# Altium PCB Brake Module PCB R5.PcbDoc (part 3 of 3)
Units mm, origin at the board's own origin, x right, y up, seen from the top; angles counter-clockwise.
Board outline 73.35 x 121.67 mm, 4 copper layers (Top Layer, GND, Power, Bottom Layer), stack 1.371 mm thick; 145 components, 92 nets, 490 pads, 190 vias.
Unrouted connection lines stored in the file: 20.
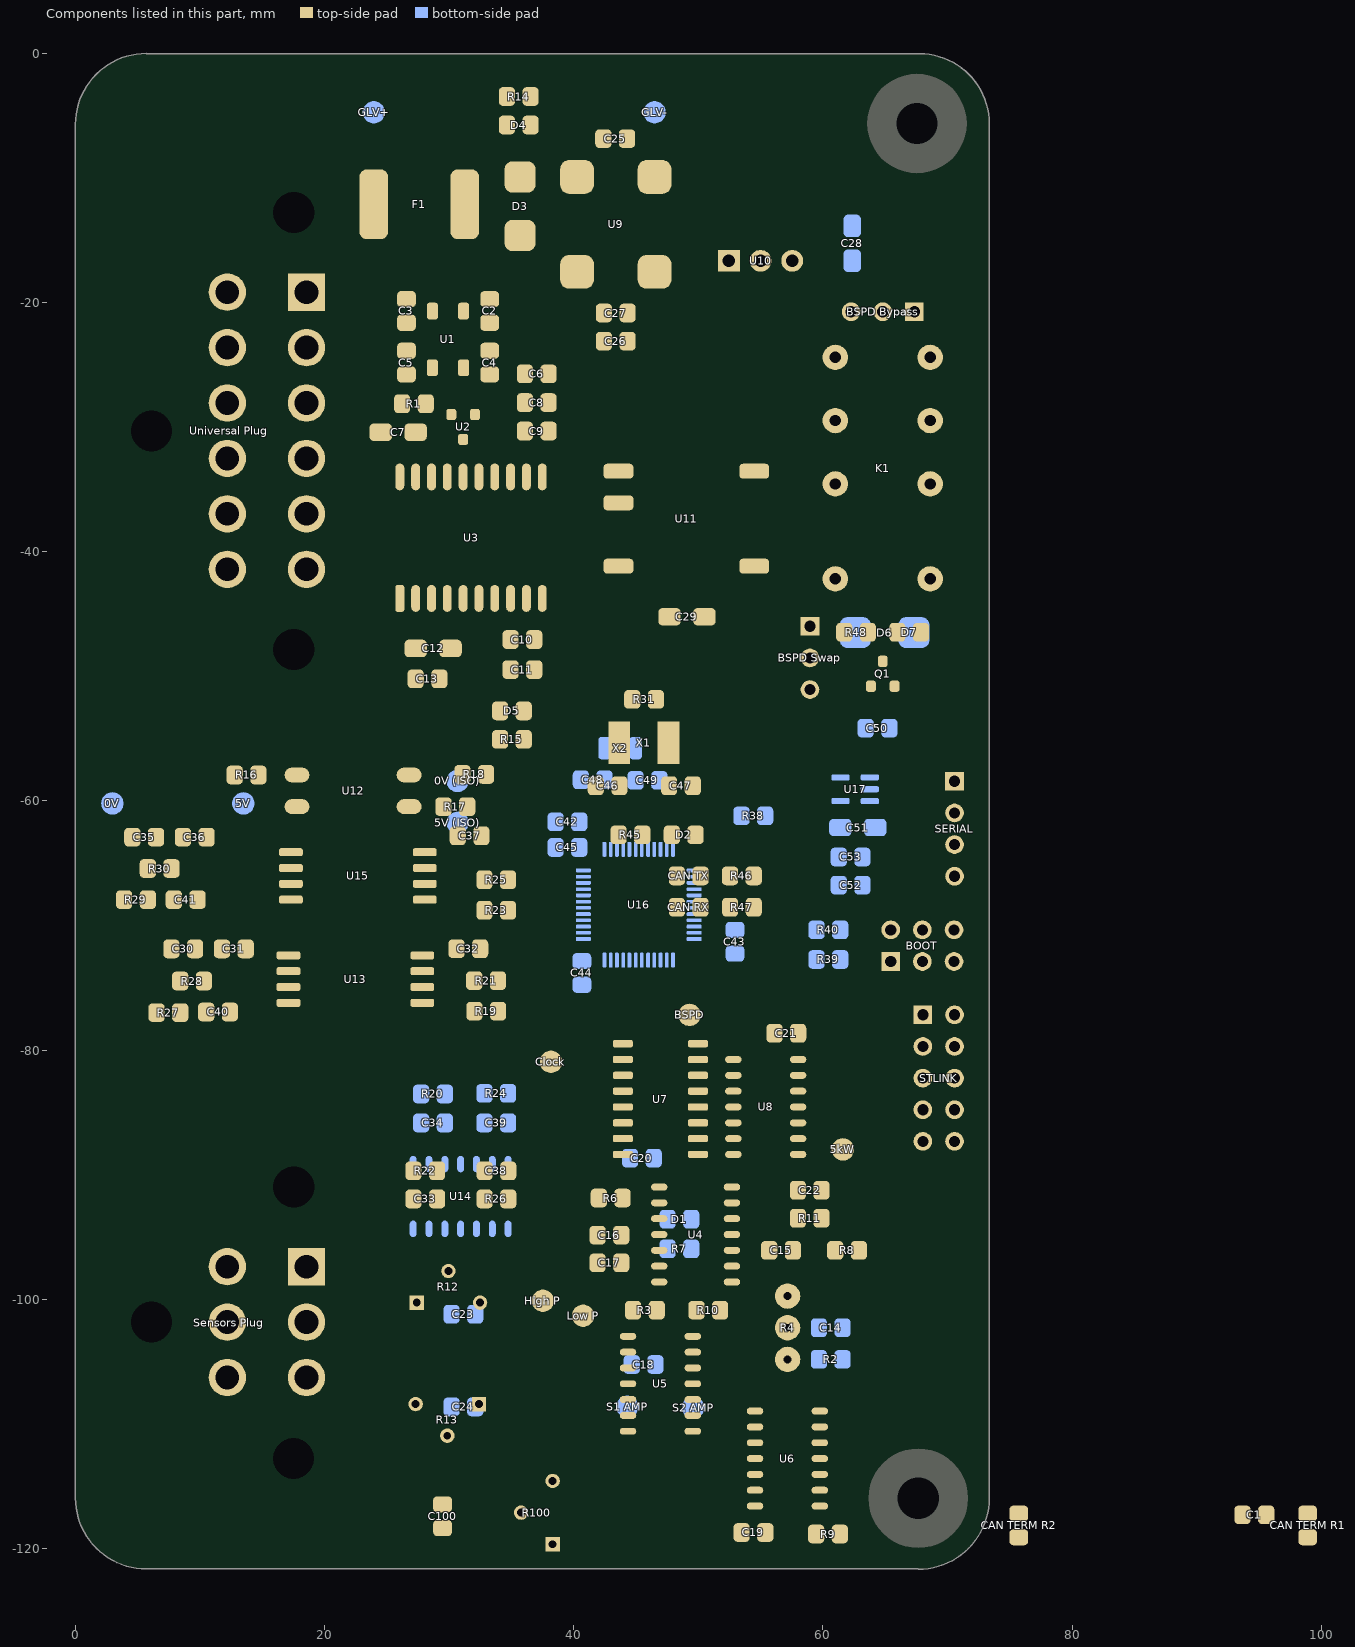
[diagram p5: the components of this part, seen from the top]

## Other copper
Top Layer:
  pour cut-out: 15.806,-72.246 15.806,-76.359 ccw(c16.356,-76.359) 16.356,-76.909 18.172,-76.909 ccw(c18.172,-76.462) 18.619,-76.462 18.619,-72.236 ccw(c18.042,-72.236) 18.042,-71.659 16.393,-71.659 ccw(c16.393,-72.246)
  pour cut-out: 16.036,-63.964 16.036,-68.043 ccw(c16.644,-68.043) 16.644,-68.651 18.219,-68.651 ccw(c18.219,-68.204) 18.666,-68.204 18.666,-63.978 ccw(c18.089,-63.978) 18.089,-63.401 16.6,-63.401 ccw(c16.6,-63.964)
  pour cut-out: 59.257,-108.369 60.24,-108.368 cw(c60.24,-108.728) 60.599,-108.728 60.599,-116.759 cw(c60.17,-116.759) 60.17,-117.189 59.25,-117.189 cw(c59.25,-116.616) 58.677,-116.609 58.761,-108.859 cw(c59.257,-108.864)
  pour cut-out: 53.621,-108.465 54.995,-108.465 cw(c54.995,-108.925) 55.454,-108.925 55.454,-116.682 cw(c55.013,-116.682) 55.013,-117.124 53.927,-117.124 cw(c53.927,-116.728) 53.531,-116.724
  pour cut-out: 26.442,-72.304 26.442,-76.378 ccw(c26.974,-76.378) 26.974,-76.91 28.54,-76.91 ccw(c28.54,-76.338) 29.111,-76.338 29.112,-72.026 ccw(c28.745,-72.026) 28.745,-71.659 27.086,-71.659 ccw(c27.086,-72.304)
  pour cut-out: 25.179,-32.759 25.179,-34.748 ccw(c25.946,-34.748) 25.946,-35.515 37.419,-35.515 ccw(c37.419,-34.619) 38.314,-34.619 38.314,-32.207 25.662,-32.273 ccw(c25.665,-32.759)
  pour cut-out: 51.815,-98.964 ccw(c52.178,-98.868) 52.178,-99.244 53.265,-99.244 ccw(c53.265,-98.933) 53.577,-98.933 53.577,-90.631 ccw(c53.299,-90.631) 53.296,-90.354 52.154,-90.367 ccw(c52.158,-90.723) 51.803,-90.724 cw(c-2718.681,-98.964)
  pour cut-out: 45.968,-90.784 45.968,-98.859 ccw(c46.353,-98.859) 46.353,-99.244 47.371,-99.244 ccw(c47.371,-98.873) 47.742,-98.873 47.742,-90.667 ccw(c47.429,-90.667) 47.425,-90.354 46.381,-90.366 ccw(c46.385,-90.784)
  pour cut-out: 26.65,-63.981 26.65,-68.055 ccw(c27.182,-68.055) 27.182,-68.587 28.779,-68.587 ccw(c28.779,-68.08) 29.286,-68.079 29.286,-63.793 ccw(c28.829,-63.793) 28.829,-63.337 27.294,-63.337 ccw(c27.294,-63.981)
  pour cut-out: 48.631,-102.812 48.631,-111.006 ccw(c49,-111.006) 49,-111.375 50.127,-111.375 ccw(c50.127,-111.032) 50.47,-111.032 50.47,-102.84 ccw(c49.992,-102.84) 49.992,-102.361 49.082,-102.361 ccw(c49.082,-102.812)
  pour cut-out: 43.525,-102.625 43.525,-110.9 ccw(c43.975,-110.9) 43.975,-111.35 44.673,-111.35 ccw(c44.673,-110.798) 45.225,-110.798 45.225,-102.678 ccw(c44.747,-102.678) 44.747,-102.2 43.95,-102.2 ccw(c43.95,-102.625)
  pour cut-out: 57.137,-88.569 57.137,-80.57 cw(c57.708,-80.57) 57.708,-80 58.415,-80 cw(c58.415,-80.46) 58.875,-80.46 58.875,-88.675 cw(c58.42,-88.675) 58.428,-89.13 57.721,-89.143 cw(c57.711,-88.569)
  pour cut-out: 51.9,-88.754 51.9,-80.425 cw(c52.312,-80.425) 52.312,-80.013 53.123,-80.012 cw(c53.123,-80.567) 53.677,-80.567 53.677,-88.657 cw(c53.191,-88.657) 53.199,-89.142 52.309,-89.157 cw(c52.303,-88.754)
  pour cut-out: 48.825,-79.225 48.825,-88.775 ccw(c49.175,-88.775) 49.175,-89.125 50.743,-89.125 ccw(c50.743,-88.793) 51.075,-88.793 51.075,-79.25 ccw(c50.7,-79.25) 50.7,-78.875 49.175,-78.875 ccw(c49.175,-79.225)
  pour cut-out: 42.8,-79.327 42.8,-88.8 ccw(c43.125,-88.8) 43.125,-89.125 44.725,-89.125 ccw(c44.725,-88.775) 45.075,-88.775 45.075,-79.347 ccw(c44.583,-79.347) 44.578,-78.855 43.252,-78.87 ccw(c43.257,-79.327)
  pour cut-out: 37.575,-45.05 ccw(c37.575,-44.55) 38.075,-44.55 38.075,-42.675 ccw(c37.642,-42.674) 37.641,-42.242 25.773,-42.25 ccw(c25.773,-42.669) 25.354,-42.673 25.37,-44.523 ccw(c25.91,-44.518) 25.911,-45.058
  region: 1693 vertices and 5 holes, not listed, extent 67.614,-110.453 72.204,-101.59
  region: 615 vertices and 0 holes, not listed, extent 68.449,-103.459 71.186,-101.44
  region: 68.799,-104.144 68.799,-104.06 68.816,-104.06 68.816,-103.977 68.833,-103.977 68.833,-103.96 68.849,-103.96 68.849,-103.877 68.866,-103.877 68.866,-103.96 68.849,-103.96 68.849,-104.043 68.833,-104.043 68.833,-104.06 68.816,-104.06 68.816,-104.144 68.799,-104.144 68.799,-104.227 68.782,-104.227 68.782,-104.144
  region: 69.467,-104.728 69.467,-104.861 69.484,-104.861 69.484,-105.012 69.5,-105.012 69.5,-105.028 69.517,-105.028 69.517,-105.162 69.534,-105.162 69.534,-105.295 69.55,-105.295 69.55,-105.412 69.567,-105.412 69.567,-105.529 69.584,-105.529 69.584,-105.579 69.6,-105.579 69.6,-105.663 69.617,-105.663 69.617,-105.763 69.634,-105.763 69.634,-105.863 69.65,-105.863 69.65,-105.963 69.667,-105.963 69.667,-105.996 69.684,-105.996 69.684,-106.063 69.701,-106.063 69.701,-106.147 69.717,-106.147 69.717,-106.197 69.734,-106.197 69.734,-106.264 69.751,-106.264 69.751,-106.28 69.767,-106.28 69.784,-106.28 69.784,-106.297 69.801,-106.297 69.817,-106.297 69.834,-106.297 69.851,-106.297 69.867,-106.297 69.884,-106.297 69.901,-106.297 69.918,-106.297 69.918,-106.314 69.901,-106.314 69.884,-106.314 69.867,-106.314 69.851,-106.314 69.834,-106.314 69.817,-106.314 69.801,-106.314 69.784,-106.314 69.767,-106.314 69.751,-106.314 69.751,-106.364 69.767,-106.364 69.767,-106.43 69.751,-106.43 69.751,-106.414 69.734,-106.414 69.734,-106.347 69.717,-106.347 69.717,-106.264 69.701,-106.264 69.701,-106.18 69.684,-106.18 69.684,-106.113 69.667,-106.113 69.667,-106.063 69.65,-106.063 69.65,-105.98 69.634,-105.98 69.634,-105.896 69.617,-105.896 69.617,-105.779 69.6,-105.779 69.6,-105.696 69.584,-105.696 69.584,-105.663 69.567,-105.663 69.567,-105.562 69.55,-105.562 69.55,-105.446 69.534,-105.446 69.534,-105.329 69.517,-105.329 69.517,-105.212 69.5,-105.212 69.5,-105.162 69.484,-105.162 69.484,-105.028 69.467,-105.028 69.467,-104.878 69.45,-104.878 69.45,-104.728
  region: 69.918,-106.931 69.918,-106.948 69.934,-106.948 69.934,-106.998 69.918,-106.998 69.918,-106.981 69.901,-106.981 69.901,-106.931
  region: 68.649,-104.945 68.649,-104.811 68.666,-104.811 68.666,-104.795 68.682,-104.795 68.682,-104.678 68.699,-104.678 68.699,-104.795 68.682,-104.795 68.682,-104.928 68.666,-104.928 68.666,-104.945 68.649,-104.945 68.649,-105.078 68.632,-105.078 68.632,-104.945
  region: 69.417,-104.394 69.417,-104.444 69.433,-104.444 69.433,-104.561 69.417,-104.561 69.417,-104.511 69.4,-104.511 69.4,-104.394
  region: 68.883,-103.776 68.883,-103.71 68.899,-103.71 68.899,-103.626 68.916,-103.626 68.916,-103.609 68.933,-103.609 68.933,-103.526 68.949,-103.526 68.949,-103.476 68.966,-103.476 68.966,-103.526 68.949,-103.526 68.949,-103.609 68.933,-103.609 68.933,-103.676 68.916,-103.676 68.916,-103.71 68.899,-103.71 68.899,-103.776 68.883,-103.776 68.883,-103.86 68.866,-103.86 68.866,-103.776
  region: 69.834,-105.462 69.851,-105.462 69.851,-105.496 69.867,-105.496 69.867,-105.512 69.884,-105.512 69.884,-105.546 69.867,-105.546 69.867,-105.529 69.851,-105.529 69.851,-105.512 69.834,-105.512 69.834,-105.496 69.817,-105.496 69.817,-105.462
  region: 69.851,-105.696 69.851,-105.679 69.867,-105.679 69.867,-105.696 69.851,-105.696 69.851,-105.729 69.834,-105.729 69.834,-105.696
  region: 69.918,-105.796 69.934,-105.796 69.951,-105.796 69.951,-105.763 69.968,-105.763 69.968,-105.83 69.984,-105.83 70.001,-105.83 70.018,-105.83 70.018,-105.729 70.034,-105.729 70.034,-105.779 70.051,-105.779 70.051,-105.813 70.068,-105.813 70.068,-105.846 70.084,-105.846 70.084,-105.863 70.068,-105.863 70.051,-105.863 70.051,-105.846 70.034,-105.846 70.018,-105.846 70.001,-105.846 69.984,-105.846 69.968,-105.846 69.968,-105.863 69.951,-105.863 69.951,-105.88 69.934,-105.88 69.918,-105.88 69.918,-105.863 69.901,-105.863 69.901,-105.796
  region: 69.867,-105.779 69.867,-105.763 69.884,-105.763 69.884,-105.779 69.867,-105.779 69.867,-105.813 69.851,-105.813 69.851,-105.779
  region: 69.834,-106.681 69.851,-106.681 69.851,-106.748 69.834,-106.748 69.834,-106.714 69.817,-106.714 69.817,-106.681
  region: 69.968,-106.28 69.968,-106.264 69.984,-106.264 70.001,-106.264 70.001,-106.247 70.018,-106.247 70.034,-106.247 70.034,-106.23 70.051,-106.23 70.068,-106.23 70.084,-106.23 70.101,-106.23 70.118,-106.23 70.118,-106.213 70.135,-106.213 70.151,-106.213 70.168,-106.213 70.168,-106.23 70.185,-106.23 70.201,-106.23 70.218,-106.23 70.235,-106.23 70.251,-106.23 70.268,-106.23 70.268,-106.247 70.251,-106.247 70.235,-106.247 70.218,-106.247 70.201,-106.247 70.185,-106.247 70.168,-106.247 70.151,-106.247 70.135,-106.247 70.118,-106.247 70.101,-106.247 70.084,-106.247 70.068,-106.247 70.051,-106.247 70.051,-106.264 70.034,-106.264 70.018,-106.264 70.018,-106.28 70.001,-106.28 69.984,-106.28 69.968,-106.28 69.968,-106.297 69.951,-106.297 69.951,-106.28
  region: 69.984,-107.098 69.984,-107.148 70.001,-107.148 70.001,-107.165 69.984,-107.165 69.968,-107.165 69.968,-107.098
  region: 191 vertices and 1 holes, not listed, extent 69.133,-108.317 69.801,-107.098
  region: 68.716,-104.561 68.716,-104.444 68.732,-104.444 68.732,-104.344 68.749,-104.344 68.766,-104.344 68.766,-104.244 68.782,-104.244 68.782,-104.344 68.766,-104.344 68.766,-104.427 68.749,-104.427 68.749,-104.444 68.732,-104.444 68.732,-104.561 68.716,-104.561 68.716,-104.661 68.699,-104.661 68.699,-104.561
  region: 68.248,-105.696 68.248,-105.713 68.265,-105.713 68.265,-105.729 68.248,-105.729 68.232,-105.729 68.232,-105.696
  region: 68.048,-106.03 68.048,-105.946 68.065,-105.946 68.065,-105.846 68.081,-105.846 68.098,-105.846 68.098,-105.729 68.115,-105.729 68.115,-105.512 68.131,-105.512 68.131,-105.562 68.148,-105.562 68.148,-105.579 68.165,-105.579 68.165,-105.596 68.182,-105.596 68.182,-105.629 68.198,-105.629 68.198,-105.646 68.215,-105.646 68.215,-105.679 68.198,-105.679 68.198,-105.663 68.182,-105.663 68.182,-105.713 68.165,-105.713 68.165,-105.729 68.182,-105.729 68.182,-105.779 68.165,-105.779 68.165,-105.83 68.148,-105.83 68.148,-106.03 68.131,-106.03 68.131,-106.13 68.148,-106.13 68.148,-106.213 68.165,-106.213 68.182,-106.213 68.182,-106.23 68.198,-106.23 68.198,-106.247 68.215,-106.247 68.232,-106.247 68.248,-106.247 68.265,-106.247 68.282,-106.247 68.298,-106.247 68.298,-106.23 68.315,-106.23 68.315,-106.213 68.332,-106.213 68.332,-106.197 68.348,-106.197 68.348,-106.163 68.365,-106.163 68.365,-106.063 68.382,-106.063 68.382,-106.13 68.399,-106.13 68.399,-106.297 68.415,-106.297 68.415,-106.314 68.432,-106.314 68.432,-106.33 68.449,-106.33 68.465,-106.33 68.482,-106.33 68.499,-106.33 68.499,-106.347 68.482,-106.347 68.482,-106.364 68.465,-106.364 68.465,-106.38 68.449,-106.38 68.449,-106.397 68.432,-106.397 68.432,-106.414 68.415,-106.414 68.415,-106.43 68.399,-106.43 68.399,-106.447 68.382,-106.447 68.365,-106.447 68.365,-106.464 68.348,-106.464 68.332,-106.464 68.315,-106.464 68.315,-106.481 68.298,-106.481 68.282,-106.481 68.265,-106.481 68.248,-106.481 68.232,-106.481 68.215,-106.481 68.198,-106.481 68.198,-106.464 68.182,-106.464 68.165,-106.464 68.165,-106.447 68.148,-106.447 68.131,-106.447 68.131,-106.414 68.115,-106.414 68.115,-106.397 68.098,-106.397 68.098,-106.38 68.081,-106.38 68.081,-106.364 68.065,-106.364 68.065,-106.33 68.048,-106.33 68.048,-106.28 68.031,-106.28 68.031,-106.03
Bottom Layer:
  pour cut-out: 26.877,-93.462 34.877,-93.462 cw(c34.877,-93.89) 35.305,-93.89 35.305,-94.839 cw(c34.834,-94.839) 34.834,-95.31 27,-95.31 cw(c27,-94.846) 26.536,-94.852 26.522,-93.821 cw(c26.877,-93.817)
  pour cut-out: 27.028,-88.325 34.795,-88.325 cw(c34.795,-88.767) 35.238,-88.767 35.238,-89.534 cw(c34.897,-89.534) 34.897,-89.875 26.732,-89.875 cw(c26.732,-89.742) 26.599,-89.742 26.599,-88.754 cw(c27.028,-88.754)
  region: 1693 vertices and 5 holes, not listed, extent 67.614,-110.453 72.205,-101.589
  region: 615 vertices and 0 holes, not listed, extent 68.449,-103.459 71.187,-101.439
  region: 68.8,-104.143 68.8,-104.06 68.816,-104.06 68.816,-103.976 68.833,-103.976 68.833,-103.96 68.85,-103.96 68.85,-103.876 68.866,-103.876 68.866,-103.96 68.85,-103.96 68.85,-104.043 68.833,-104.043 68.833,-104.06 68.816,-104.06 68.816,-104.143 68.8,-104.143 68.8,-104.227 68.783,-104.227 68.783,-104.143
  region: 69.467,-104.727 69.467,-104.861 69.484,-104.861 69.484,-105.011 69.501,-105.011 69.501,-105.028 69.517,-105.028 69.517,-105.161 69.534,-105.161 69.534,-105.295 69.551,-105.295 69.551,-105.412 69.567,-105.412 69.567,-105.529 69.584,-105.529 69.584,-105.579 69.601,-105.579 69.601,-105.662 69.617,-105.662 69.617,-105.762 69.634,-105.762 69.634,-105.863 69.651,-105.863 69.651,-105.963 69.668,-105.963 69.668,-105.996 69.684,-105.996 69.684,-106.063 69.701,-106.063 69.701,-106.146 69.718,-106.146 69.718,-106.196 69.734,-106.196 69.734,-106.263 69.751,-106.263 69.751,-106.28 69.768,-106.28 69.784,-106.28 69.784,-106.297 69.801,-106.297 69.818,-106.297 69.834,-106.297 69.851,-106.297 69.868,-106.297 69.885,-106.297 69.901,-106.297 69.918,-106.297 69.918,-106.313 69.901,-106.313 69.885,-106.313 69.868,-106.313 69.851,-106.313 69.834,-106.313 69.818,-106.313 69.801,-106.313 69.784,-106.313 69.768,-106.313 69.751,-106.313 69.751,-106.363 69.768,-106.363 69.768,-106.43 69.751,-106.43 69.751,-106.413 69.734,-106.413 69.734,-106.347 69.718,-106.347 69.718,-106.263 69.701,-106.263 69.701,-106.18 69.684,-106.18 69.684,-106.113 69.668,-106.113 69.668,-106.063 69.651,-106.063 69.651,-105.979 69.634,-105.979 69.634,-105.896 69.617,-105.896 69.617,-105.779 69.601,-105.779 69.601,-105.696 69.584,-105.696 69.584,-105.662 69.567,-105.662 69.567,-105.562 69.551,-105.562 69.551,-105.445 69.534,-105.445 69.534,-105.328 69.517,-105.328 69.517,-105.212 69.501,-105.212 69.501,-105.161 69.484,-105.161 69.484,-105.028 69.467,-105.028 69.467,-104.878 69.451,-104.878 69.451,-104.727
  region: 68.649,-104.944 68.649,-104.811 68.666,-104.811 68.666,-104.794 68.683,-104.794 68.683,-104.677 68.699,-104.677 68.699,-104.794 68.683,-104.794 68.683,-104.928 68.666,-104.928 68.666,-104.944 68.649,-104.944 68.649,-105.078 68.633,-105.078 68.633,-104.944
  region: 68.883,-103.776 68.883,-103.709 68.9,-103.709 68.9,-103.626 68.916,-103.626 68.916,-103.609 68.933,-103.609 68.933,-103.526 68.95,-103.526 68.95,-103.476 68.966,-103.476 68.966,-103.526 68.95,-103.526 68.95,-103.609 68.933,-103.609 68.933,-103.676 68.916,-103.676 68.916,-103.709 68.9,-103.709 68.9,-103.776 68.883,-103.776 68.883,-103.859 68.866,-103.859 68.866,-103.776
  region: 69.417,-104.394 69.417,-104.444 69.434,-104.444 69.434,-104.561 69.417,-104.561 69.417,-104.51 69.4,-104.51 69.4,-104.394
  region: 69.968,-106.28 69.968,-106.263 69.985,-106.263 70.001,-106.263 70.001,-106.246 70.018,-106.246 70.035,-106.246 70.035,-106.23 70.051,-106.23 70.068,-106.23 70.085,-106.23 70.102,-106.23 70.118,-106.23 70.118,-106.213 70.135,-106.213 70.152,-106.213 70.168,-106.213 70.168,-106.23 70.185,-106.23 70.202,-106.23 70.218,-106.23 70.235,-106.23 70.252,-106.23 70.268,-106.23 70.268,-106.246 70.252,-106.246 70.235,-106.246 70.218,-106.246 70.202,-106.246 70.185,-106.246 70.168,-106.246 70.152,-106.246 70.135,-106.246 70.118,-106.246 70.102,-106.246 70.085,-106.246 70.068,-106.246 70.051,-106.246 70.051,-106.263 70.035,-106.263 70.018,-106.263 70.018,-106.28 70.001,-106.28 69.985,-106.28 69.968,-106.28 69.968,-106.297 69.951,-106.297 69.951,-106.28
  region: 69.834,-106.68 69.851,-106.68 69.851,-106.747 69.834,-106.747 69.834,-106.714 69.818,-106.714 69.818,-106.68
  region: 69.868,-105.779 69.868,-105.762 69.885,-105.762 69.885,-105.779 69.868,-105.779 69.868,-105.812 69.851,-105.812 69.851,-105.779
  region: 69.918,-105.796 69.935,-105.796 69.951,-105.796 69.951,-105.762 69.968,-105.762 69.968,-105.829 69.985,-105.829 70.001,-105.829 70.018,-105.829 70.018,-105.729 70.035,-105.729 70.035,-105.779 70.051,-105.779 70.051,-105.812 70.068,-105.812 70.068,-105.846 70.085,-105.846 70.085,-105.863 70.068,-105.863 70.051,-105.863 70.051,-105.846 70.035,-105.846 70.018,-105.846 70.001,-105.846 69.985,-105.846 69.968,-105.846 69.968,-105.863 69.951,-105.863 69.951,-105.879 69.935,-105.879 69.918,-105.879 69.918,-105.863 69.901,-105.863 69.901,-105.796
  region: 69.851,-105.696 69.851,-105.679 69.868,-105.679 69.868,-105.696 69.851,-105.696 69.851,-105.729 69.834,-105.729 69.834,-105.696
  region: 69.834,-105.462 69.851,-105.462 69.851,-105.495 69.868,-105.495 69.868,-105.512 69.885,-105.512 69.885,-105.545 69.868,-105.545 69.868,-105.529 69.851,-105.529 69.851,-105.512 69.834,-105.512 69.834,-105.495 69.818,-105.495 69.818,-105.462
  region: 69.918,-106.931 69.918,-106.948 69.935,-106.948 69.935,-106.998 69.918,-106.998 69.918,-106.981 69.901,-106.981 69.901,-106.931
  region: 191 vertices and 1 holes, not listed, extent 69.133,-108.316 69.801,-107.098
  region: 69.985,-107.098 69.985,-107.148 70.001,-107.148 70.001,-107.165 69.985,-107.165 69.968,-107.165 69.968,-107.098
  region: 68.716,-104.561 68.716,-104.444 68.733,-104.444 68.733,-104.344 68.749,-104.344 68.766,-104.344 68.766,-104.243 68.783,-104.243 68.783,-104.344 68.766,-104.344 68.766,-104.427 68.749,-104.427 68.749,-104.444 68.733,-104.444 68.733,-104.561 68.716,-104.561 68.716,-104.661 68.699,-104.661 68.699,-104.561
  region: 68.048,-106.029 68.048,-105.946 68.065,-105.946 68.065,-105.846 68.082,-105.846 68.098,-105.846 68.098,-105.729 68.115,-105.729 68.115,-105.512 68.132,-105.512 68.132,-105.562 68.149,-105.562 68.149,-105.579 68.165,-105.579 68.165,-105.595 68.182,-105.595 68.182,-105.629 68.199,-105.629 68.199,-105.646 68.215,-105.646 68.215,-105.679 68.199,-105.679 68.199,-105.662 68.182,-105.662 68.182,-105.712 68.165,-105.712 68.165,-105.729 68.182,-105.729 68.182,-105.779 68.165,-105.779 68.165,-105.829 68.149,-105.829 68.149,-106.029 68.132,-106.029 68.132,-106.13 68.149,-106.13 68.149,-106.213 68.165,-106.213 68.182,-106.213 68.182,-106.23 68.199,-106.23 68.199,-106.246 68.215,-106.246 68.232,-106.246 68.249,-106.246 68.265,-106.246 68.282,-106.246 68.299,-106.246 68.299,-106.23 68.315,-106.23 68.315,-106.213 68.332,-106.213 68.332,-106.196 68.349,-106.196 68.349,-106.163 68.366,-106.163 68.366,-106.063 68.382,-106.063 68.382,-106.13 68.399,-106.13 68.399,-106.297 68.416,-106.297 68.416,-106.313 68.432,-106.313 68.432,-106.33 68.449,-106.33 68.466,-106.33 68.482,-106.33 68.499,-106.33 68.499,-106.347 68.482,-106.347 68.482,-106.363 68.466,-106.363 68.466,-106.38 68.449,-106.38 68.449,-106.397 68.432,-106.397 68.432,-106.413 68.416,-106.413 68.416,-106.43 68.399,-106.43 68.399,-106.447 68.382,-106.447 68.366,-106.447 68.366,-106.463 68.349,-106.463 68.332,-106.463 68.315,-106.463 68.315,-106.48 68.299,-106.48 68.282,-106.48 68.265,-106.48 68.249,-106.48 68.232,-106.48 68.215,-106.48 68.199,-106.48 68.199,-106.463 68.182,-106.463 68.165,-106.463 68.165,-106.447 68.149,-106.447 68.132,-106.447 68.132,-106.413 68.115,-106.413 68.115,-106.397 68.098,-106.397 68.098,-106.38 68.082,-106.38 68.082,-106.363 68.065,-106.363 68.065,-106.33 68.048,-106.33 68.048,-106.28 68.032,-106.28 68.032,-106.029
  region: 68.249,-105.696 68.249,-105.712 68.265,-105.712 68.265,-105.729 68.249,-105.729 68.232,-105.729 68.232,-105.696
  pour cut-out: 48.347,-71.7 42.111,-71.7 42.111,-73.45 48.322,-73.45
  pour cut-out: 42.102,-64.95 48.321,-64.95 48.321,-63.078 42.129,-63.078
  pour cut-out: 39.961,-65.214 39.961,-71.436 41.825,-71.436 41.825,-65.241
  pour cut-out: 48.603,-65.126 48.603,-71.338 50.526,-71.338 50.526,-65.153
GND (plane layer: these items are gaps in the copper):
  rectangle: 67.427,-110.635 72.25,-101.384
  region: 615 vertices and 0 holes, not listed, extent 68.449,-103.459 71.187,-101.439
  region: 1693 vertices and 5 holes, not listed, extent 67.614,-110.453 72.205,-101.589
  region: 191 vertices and 1 holes, not listed, extent 69.133,-108.316 69.801,-107.098
  region: 69.467,-104.727 69.467,-104.861 69.484,-104.861 69.484,-105.011 69.501,-105.011 69.501,-105.028 69.517,-105.028 69.517,-105.161 69.534,-105.161 69.534,-105.295 69.551,-105.295 69.551,-105.412 69.567,-105.412 69.567,-105.529 69.584,-105.529 69.584,-105.579 69.601,-105.579 69.601,-105.662 69.617,-105.662 69.617,-105.762 69.634,-105.762 69.634,-105.863 69.651,-105.863 69.651,-105.963 69.668,-105.963 69.668,-105.996 69.684,-105.996 69.684,-106.063 69.701,-106.063 69.701,-106.146 69.718,-106.146 69.718,-106.196 69.734,-106.196 69.734,-106.263 69.751,-106.263 69.751,-106.28 69.768,-106.28 69.784,-106.28 69.784,-106.297 69.801,-106.297 69.818,-106.297 69.834,-106.297 69.851,-106.297 69.868,-106.297 69.885,-106.297 69.901,-106.297 69.918,-106.297 69.918,-106.313 69.901,-106.313 69.885,-106.313 69.868,-106.313 69.851,-106.313 69.834,-106.313 69.818,-106.313 69.801,-106.313 69.784,-106.313 69.768,-106.313 69.751,-106.313 69.751,-106.363 69.768,-106.363 69.768,-106.43 69.751,-106.43 69.751,-106.413 69.734,-106.413 69.734,-106.347 69.718,-106.347 69.718,-106.263 69.701,-106.263 69.701,-106.18 69.684,-106.18 69.684,-106.113 69.668,-106.113 69.668,-106.063 69.651,-106.063 69.651,-105.979 69.634,-105.979 69.634,-105.896 69.617,-105.896 69.617,-105.779 69.601,-105.779 69.601,-105.696 69.584,-105.696 69.584,-105.662 69.567,-105.662 69.567,-105.562 69.551,-105.562 69.551,-105.445 69.534,-105.445 69.534,-105.328 69.517,-105.328 69.517,-105.212 69.501,-105.212 69.501,-105.161 69.484,-105.161 69.484,-105.028 69.467,-105.028 69.467,-104.878 69.451,-104.878 69.451,-104.727
  region: 68.048,-106.029 68.048,-105.946 68.065,-105.946 68.065,-105.846 68.082,-105.846 68.098,-105.846 68.098,-105.729 68.115,-105.729 68.115,-105.512 68.132,-105.512 68.132,-105.562 68.149,-105.562 68.149,-105.579 68.165,-105.579 68.165,-105.595 68.182,-105.595 68.182,-105.629 68.199,-105.629 68.199,-105.646 68.215,-105.646 68.215,-105.679 68.199,-105.679 68.199,-105.662 68.182,-105.662 68.182,-105.712 68.165,-105.712 68.165,-105.729 68.182,-105.729 68.182,-105.779 68.165,-105.779 68.165,-105.829 68.149,-105.829 68.149,-106.029 68.132,-106.029 68.132,-106.13 68.149,-106.13 68.149,-106.213 68.165,-106.213 68.182,-106.213 68.182,-106.23 68.199,-106.23 68.199,-106.246 68.215,-106.246 68.232,-106.246 68.249,-106.246 68.265,-106.246 68.282,-106.246 68.299,-106.246 68.299,-106.23 68.315,-106.23 68.315,-106.213 68.332,-106.213 68.332,-106.196 68.349,-106.196 68.349,-106.163 68.366,-106.163 68.366,-106.063 68.382,-106.063 68.382,-106.13 68.399,-106.13 68.399,-106.297 68.416,-106.297 68.416,-106.313 68.432,-106.313 68.432,-106.33 68.449,-106.33 68.466,-106.33 68.482,-106.33 68.499,-106.33 68.499,-106.347 68.482,-106.347 68.482,-106.363 68.466,-106.363 68.466,-106.38 68.449,-106.38 68.449,-106.397 68.432,-106.397 68.432,-106.413 68.416,-106.413 68.416,-106.43 68.399,-106.43 68.399,-106.447 68.382,-106.447 68.366,-106.447 68.366,-106.463 68.349,-106.463 68.332,-106.463 68.315,-106.463 68.315,-106.48 68.299,-106.48 68.282,-106.48 68.265,-106.48 68.249,-106.48 68.232,-106.48 68.215,-106.48 68.199,-106.48 68.199,-106.463 68.182,-106.463 68.165,-106.463 68.165,-106.447 68.149,-106.447 68.132,-106.447 68.132,-106.413 68.115,-106.413 68.115,-106.397 68.098,-106.397 68.098,-106.38 68.082,-106.38 68.082,-106.363 68.065,-106.363 68.065,-106.33 68.048,-106.33 68.048,-106.28 68.032,-106.28 68.032,-106.029
  region: 68.8,-104.143 68.8,-104.06 68.816,-104.06 68.816,-103.976 68.833,-103.976 68.833,-103.96 68.85,-103.96 68.85,-103.876 68.866,-103.876 68.866,-103.96 68.85,-103.96 68.85,-104.043 68.833,-104.043 68.833,-104.06 68.816,-104.06 68.816,-104.143 68.8,-104.143 68.8,-104.227 68.783,-104.227 68.783,-104.143
  region: 69.868,-105.779 69.868,-105.762 69.885,-105.762 69.885,-105.779 69.868,-105.779 69.868,-105.812 69.851,-105.812 69.851,-105.779
  region: 69.918,-105.796 69.935,-105.796 69.951,-105.796 69.951,-105.762 69.968,-105.762 69.968,-105.829 69.985,-105.829 70.001,-105.829 70.018,-105.829 70.018,-105.729 70.035,-105.729 70.035,-105.779 70.051,-105.779 70.051,-105.812 70.068,-105.812 70.068,-105.846 70.085,-105.846 70.085,-105.863 70.068,-105.863 70.051,-105.863 70.051,-105.846 70.035,-105.846 70.018,-105.846 70.001,-105.846 69.985,-105.846 69.968,-105.846 69.968,-105.863 69.951,-105.863 69.951,-105.879 69.935,-105.879 69.918,-105.879 69.918,-105.863 69.901,-105.863 69.901,-105.796
  region: 69.851,-105.696 69.851,-105.679 69.868,-105.679 69.868,-105.696 69.851,-105.696 69.851,-105.729 69.834,-105.729 69.834,-105.696
  region: 69.834,-105.462 69.851,-105.462 69.851,-105.495 69.868,-105.495 69.868,-105.512 69.885,-105.512 69.885,-105.545 69.868,-105.545 69.868,-105.529 69.851,-105.529 69.851,-105.512 69.834,-105.512 69.834,-105.495 69.818,-105.495 69.818,-105.462
  region: 69.985,-107.098 69.985,-107.148 70.001,-107.148 70.001,-107.165 69.985,-107.165 69.968,-107.165 69.968,-107.098
  region: 69.968,-106.28 69.968,-106.263 69.985,-106.263 70.001,-106.263 70.001,-106.246 70.018,-106.246 70.035,-106.246 70.035,-106.23 70.051,-106.23 70.068,-106.23 70.085,-106.23 70.102,-106.23 70.118,-106.23 70.118,-106.213 70.135,-106.213 70.152,-106.213 70.168,-106.213 70.168,-106.23 70.185,-106.23 70.202,-106.23 70.218,-106.23 70.235,-106.23 70.252,-106.23 70.268,-106.23 70.268,-106.246 70.252,-106.246 70.235,-106.246 70.218,-106.246 70.202,-106.246 70.185,-106.246 70.168,-106.246 70.152,-106.246 70.135,-106.246 70.118,-106.246 70.102,-106.246 70.085,-106.246 70.068,-106.246 70.051,-106.246 70.051,-106.263 70.035,-106.263 70.018,-106.263 70.018,-106.28 70.001,-106.28 69.985,-106.28 69.968,-106.28 69.968,-106.297 69.951,-106.297 69.951,-106.28
  region: 69.834,-106.68 69.851,-106.68 69.851,-106.747 69.834,-106.747 69.834,-106.714 69.818,-106.714 69.818,-106.68
  region: 69.918,-106.931 69.918,-106.948 69.935,-106.948 69.935,-106.998 69.918,-106.998 69.918,-106.981 69.901,-106.981 69.901,-106.931
  region: 68.883,-103.776 68.883,-103.709 68.9,-103.709 68.9,-103.626 68.916,-103.626 68.916,-103.609 68.933,-103.609 68.933,-103.526 68.95,-103.526 68.95,-103.476 68.966,-103.476 68.966,-103.526 68.95,-103.526 68.95,-103.609 68.933,-103.609 68.933,-103.676 68.916,-103.676 68.916,-103.709 68.9,-103.709 68.9,-103.776 68.883,-103.776 68.883,-103.859 68.866,-103.859 68.866,-103.776
  region: 68.249,-105.696 68.249,-105.712 68.265,-105.712 68.265,-105.729 68.249,-105.729 68.232,-105.729 68.232,-105.696
  region: 68.716,-104.561 68.716,-104.444 68.733,-104.444 68.733,-104.344 68.749,-104.344 68.766,-104.344 68.766,-104.243 68.783,-104.243 68.783,-104.344 68.766,-104.344 68.766,-104.427 68.749,-104.427 68.749,-104.444 68.733,-104.444 68.733,-104.561 68.716,-104.561 68.716,-104.661 68.699,-104.661 68.699,-104.561
  region: 69.417,-104.394 69.417,-104.444 69.434,-104.444 69.434,-104.561 69.417,-104.561 69.417,-104.51 69.4,-104.51 69.4,-104.394
  region: 68.649,-104.944 68.649,-104.811 68.666,-104.811 68.666,-104.794 68.683,-104.794 68.683,-104.677 68.699,-104.677 68.699,-104.794 68.683,-104.794 68.683,-104.928 68.666,-104.928 68.666,-104.944 68.649,-104.944 68.649,-105.078 68.633,-105.078 68.633,-104.944
  lines w3.88: 22.625,-123.675 22.625,-38.6 77.375,-38.6
Power (plane layer: these items are gaps in the copper):
  rectangle: 67.427,-110.635 72.25,-101.384
  region: 615 vertices and 0 holes, not listed, extent 68.449,-103.459 71.187,-101.439
  region: 1693 vertices and 5 holes, not listed, extent 67.614,-110.453 72.205,-101.589
  region: 69.467,-104.727 69.467,-104.861 69.484,-104.861 69.484,-105.011 69.501,-105.011 69.501,-105.028 69.517,-105.028 69.517,-105.161 69.534,-105.161 69.534,-105.295 69.551,-105.295 69.551,-105.412 69.567,-105.412 69.567,-105.529 69.584,-105.529 69.584,-105.579 69.601,-105.579 69.601,-105.662 69.617,-105.662 69.617,-105.762 69.634,-105.762 69.634,-105.863 69.651,-105.863 69.651,-105.963 69.668,-105.963 69.668,-105.996 69.684,-105.996 69.684,-106.063 69.701,-106.063 69.701,-106.146 69.718,-106.146 69.718,-106.196 69.734,-106.196 69.734,-106.263 69.751,-106.263 69.751,-106.28 69.768,-106.28 69.784,-106.28 69.784,-106.297 69.801,-106.297 69.818,-106.297 69.834,-106.297 69.851,-106.297 69.868,-106.297 69.885,-106.297 69.901,-106.297 69.918,-106.297 69.918,-106.313 69.901,-106.313 69.885,-106.313 69.868,-106.313 69.851,-106.313 69.834,-106.313 69.818,-106.313 69.801,-106.313 69.784,-106.313 69.768,-106.313 69.751,-106.313 69.751,-106.363 69.768,-106.363 69.768,-106.43 69.751,-106.43 69.751,-106.413 69.734,-106.413 69.734,-106.347 69.718,-106.347 69.718,-106.263 69.701,-106.263 69.701,-106.18 69.684,-106.18 69.684,-106.113 69.668,-106.113 69.668,-106.063 69.651,-106.063 69.651,-105.979 69.634,-105.979 69.634,-105.896 69.617,-105.896 69.617,-105.779 69.601,-105.779 69.601,-105.696 69.584,-105.696 69.584,-105.662 69.567,-105.662 69.567,-105.562 69.551,-105.562 69.551,-105.445 69.534,-105.445 69.534,-105.328 69.517,-105.328 69.517,-105.212 69.501,-105.212 69.501,-105.161 69.484,-105.161 69.484,-105.028 69.467,-105.028 69.467,-104.878 69.451,-104.878 69.451,-104.727
  region: 191 vertices and 1 holes, not listed, extent 69.133,-108.316 69.801,-107.098
  region: 68.048,-106.029 68.048,-105.946 68.065,-105.946 68.065,-105.846 68.082,-105.846 68.098,-105.846 68.098,-105.729 68.115,-105.729 68.115,-105.512 68.132,-105.512 68.132,-105.562 68.149,-105.562 68.149,-105.579 68.165,-105.579 68.165,-105.595 68.182,-105.595 68.182,-105.629 68.199,-105.629 68.199,-105.646 68.215,-105.646 68.215,-105.679 68.199,-105.679 68.199,-105.662 68.182,-105.662 68.182,-105.712 68.165,-105.712 68.165,-105.729 68.182,-105.729 68.182,-105.779 68.165,-105.779 68.165,-105.829 68.149,-105.829 68.149,-106.029 68.132,-106.029 68.132,-106.13 68.149,-106.13 68.149,-106.213 68.165,-106.213 68.182,-106.213 68.182,-106.23 68.199,-106.23 68.199,-106.246 68.215,-106.246 68.232,-106.246 68.249,-106.246 68.265,-106.246 68.282,-106.246 68.299,-106.246 68.299,-106.23 68.315,-106.23 68.315,-106.213 68.332,-106.213 68.332,-106.196 68.349,-106.196 68.349,-106.163 68.366,-106.163 68.366,-106.063 68.382,-106.063 68.382,-106.13 68.399,-106.13 68.399,-106.297 68.416,-106.297 68.416,-106.313 68.432,-106.313 68.432,-106.33 68.449,-106.33 68.466,-106.33 68.482,-106.33 68.499,-106.33 68.499,-106.347 68.482,-106.347 68.482,-106.363 68.466,-106.363 68.466,-106.38 68.449,-106.38 68.449,-106.397 68.432,-106.397 68.432,-106.413 68.416,-106.413 68.416,-106.43 68.399,-106.43 68.399,-106.447 68.382,-106.447 68.366,-106.447 68.366,-106.463 68.349,-106.463 68.332,-106.463 68.315,-106.463 68.315,-106.48 68.299,-106.48 68.282,-106.48 68.265,-106.48 68.249,-106.48 68.232,-106.48 68.215,-106.48 68.199,-106.48 68.199,-106.463 68.182,-106.463 68.165,-106.463 68.165,-106.447 68.149,-106.447 68.132,-106.447 68.132,-106.413 68.115,-106.413 68.115,-106.397 68.098,-106.397 68.098,-106.38 68.082,-106.38 68.082,-106.363 68.065,-106.363 68.065,-106.33 68.048,-106.33 68.048,-106.28 68.032,-106.28 68.032,-106.029
  region: 68.716,-104.561 68.716,-104.444 68.733,-104.444 68.733,-104.344 68.749,-104.344 68.766,-104.344 68.766,-104.243 68.783,-104.243 68.783,-104.344 68.766,-104.344 68.766,-104.427 68.749,-104.427 68.749,-104.444 68.733,-104.444 68.733,-104.561 68.716,-104.561 68.716,-104.661 68.699,-104.661 68.699,-104.561
  region: 69.968,-106.28 69.968,-106.263 69.985,-106.263 70.001,-106.263 70.001,-106.246 70.018,-106.246 70.035,-106.246 70.035,-106.23 70.051,-106.23 70.068,-106.23 70.085,-106.23 70.102,-106.23 70.118,-106.23 70.118,-106.213 70.135,-106.213 70.152,-106.213 70.168,-106.213 70.168,-106.23 70.185,-106.23 70.202,-106.23 70.218,-106.23 70.235,-106.23 70.252,-106.23 70.268,-106.23 70.268,-106.246 70.252,-106.246 70.235,-106.246 70.218,-106.246 70.202,-106.246 70.185,-106.246 70.168,-106.246 70.152,-106.246 70.135,-106.246 70.118,-106.246 70.102,-106.246 70.085,-106.246 70.068,-106.246 70.051,-106.246 70.051,-106.263 70.035,-106.263 70.018,-106.263 70.018,-106.28 70.001,-106.28 69.985,-106.28 69.968,-106.28 69.968,-106.297 69.951,-106.297 69.951,-106.28
  region: 69.868,-105.779 69.868,-105.762 69.885,-105.762 69.885,-105.779 69.868,-105.779 69.868,-105.812 69.851,-105.812 69.851,-105.779
  region: 69.918,-105.796 69.935,-105.796 69.951,-105.796 69.951,-105.762 69.968,-105.762 69.968,-105.829 69.985,-105.829 70.001,-105.829 70.018,-105.829 70.018,-105.729 70.035,-105.729 70.035,-105.779 70.051,-105.779 70.051,-105.812 70.068,-105.812 70.068,-105.846 70.085,-105.846 70.085,-105.863 70.068,-105.863 70.051,-105.863 70.051,-105.846 70.035,-105.846 70.018,-105.846 70.001,-105.846 69.985,-105.846 69.968,-105.846 69.968,-105.863 69.951,-105.863 69.951,-105.879 69.935,-105.879 69.918,-105.879 69.918,-105.863 69.901,-105.863 69.901,-105.796
  region: 69.851,-105.696 69.851,-105.679 69.868,-105.679 69.868,-105.696 69.851,-105.696 69.851,-105.729 69.834,-105.729 69.834,-105.696
  region: 69.834,-105.462 69.851,-105.462 69.851,-105.495 69.868,-105.495 69.868,-105.512 69.885,-105.512 69.885,-105.545 69.868,-105.545 69.868,-105.529 69.851,-105.529 69.851,-105.512 69.834,-105.512 69.834,-105.495 69.818,-105.495 69.818,-105.462
  region: 69.985,-107.098 69.985,-107.148 70.001,-107.148 70.001,-107.165 69.985,-107.165 69.968,-107.165 69.968,-107.098
  region: 69.834,-106.68 69.851,-106.68 69.851,-106.747 69.834,-106.747 69.834,-106.714 69.818,-106.714 69.818,-106.68
  region: 69.918,-106.931 69.918,-106.948 69.935,-106.948 69.935,-106.998 69.918,-106.998 69.918,-106.981 69.901,-106.981 69.901,-106.931
  region: 68.883,-103.776 68.883,-103.709 68.9,-103.709 68.9,-103.626 68.916,-103.626 68.916,-103.609 68.933,-103.609 68.933,-103.526 68.95,-103.526 68.95,-103.476 68.966,-103.476 68.966,-103.526 68.95,-103.526 68.95,-103.609 68.933,-103.609 68.933,-103.676 68.916,-103.676 68.916,-103.709 68.9,-103.709 68.9,-103.776 68.883,-103.776 68.883,-103.859 68.866,-103.859 68.866,-103.776
  region: 68.8,-104.143 68.8,-104.06 68.816,-104.06 68.816,-103.976 68.833,-103.976 68.833,-103.96 68.85,-103.96 68.85,-103.876 68.866,-103.876 68.866,-103.96 68.85,-103.96 68.85,-104.043 68.833,-104.043 68.833,-104.06 68.816,-104.06 68.816,-104.143 68.8,-104.143 68.8,-104.227 68.783,-104.227 68.783,-104.143
  region: 68.249,-105.696 68.249,-105.712 68.265,-105.712 68.265,-105.729 68.249,-105.729 68.232,-105.729 68.232,-105.696
  region: 69.417,-104.394 69.417,-104.444 69.434,-104.444 69.434,-104.561 69.417,-104.561 69.417,-104.51 69.4,-104.51 69.4,-104.394
  region: 68.649,-104.944 68.649,-104.811 68.666,-104.811 68.666,-104.794 68.683,-104.794 68.683,-104.677 68.699,-104.677 68.699,-104.794 68.683,-104.794 68.683,-104.928 68.666,-104.928 68.666,-104.944 68.649,-104.944 68.649,-105.078 68.633,-105.078 68.633,-104.944
  lines w0.254: 67.427,-110.635 67.427,-101.384 72.102,-101.384 72.25,-101.384 72.25,-110.635 67.427,-110.635
  lines w1.66: 75.05,-56.217 44.158,-56.217 38.05,-62.325 38.05,-72.825 42.125,-76.9 62.75,-76.9 62.75,-92.325 67.35,-96.925 75.25,-96.925
  lines w3.88: 22.61,-123.705 22.61,-38.615 77.35,-38.615

## Silkscreen, mask and mechanical layers (free items; w line width, h text height)
Top Overlay:
  drawing of 33 lines, arcs and shapes, not listed
  text "Power" at 33.152,-6.311 h0.8 r90
  text "OKAY" at 54.239,-46.403 h0.8
  text "DELAY" at 52.2,-51.675 h0.8
  text "Iso Power" at 32.859,-55.911 h0.8 r90
  text "PC13" at 52.529,-63.255 h0.8
  text "RX" at 44.604,-66.481 h0.8
  text "TX" at 44.617,-69.072 h0.8
  text "HIGH" at 31.504,-96.071 h1
  text "28/04/2020 - T.B." at 70.017,-96.157 h1.02 r90
  text "Brake Module R5" at 69.078,-96.278 h1.02 r90
  text "TIMER" at 53.146,-99.986 h0.8 r270
  text "ADJUST" at 54.334,-99.982 h0.8 r270
  text "Formula SAE" at 68.19,-100.199 h1.78 r90
  text "Team Swinburne" at 66.793,-111.399 h3.05 r90
  text "LOW" at 32.354,-111.796 h1
Bottom Overlay:
  drawing of 63 lines, arcs and shapes, not listed
  text "SHIFT" at 47.297,-81.942 h0.8 r90
  text "OUTPUT" at 55.809,-82.163 h0.8 r90
  text "Brake Module R5" at 69.074,-89.289 h1.02 r90
  text "28/04/2020 - T.B." at 70.014,-89.292 h1.02 r90
  text "Team Swinburne" at 66.79,-90.962 h3.05 r90
  text "Formula SAE" at 68.187,-90.969 h1.78 r90
  text "TIMER" at 52.26,-94.26 h0.8 r90
  text "COMP" at 47.328,-107.038 h0.8 r90
  text "NAND" at 57.576,-112.112 h0.8 r90
Drill Drawing:
  text "FABRICATION NOTES" at 390.754,-7.761 h3
  text "1. QUANTITY: 5" at 390.754,-12.857 h3
  text "2. SIZE:" at 390.754,-17.953 h3
  text "3. LAYERS: 4" at 390.754,-23.05 h3
  text "4. SIGNAL LAYERS: 1,4" at 390.754,-27.147 h3
  text "a) WEIGHT: 1oz" at 395.754,-33.243 h3
  text "5. PLANES: 2" at 390.754,-38.339 h3
  text "a) WEIGHT: 1oz" at 395.754,-43.436 h3
  text "6. SOLDER MASKS: Blue" at 390.754,-48.532 h3
  text "7. SILKSCREEN: White" at 390.754,-53.628 h3
  text "8. SURFACE FINISH: HASL (With Lead)" at 390.754,-58.725 h3
  text "9 FINISHED COPPER: 1oz Cu" at 390.754,-63.821 h3
  text "10. TOTAL THICKNESS: 1.6mm" at 390.754,-68.918 h3

## Dimensions
0,-5.7 to 73.351,-5.626 on Drill Drawing
5.7,-121.648 to 5.693,-0.007 on Drill Drawing